# KiCad board C816SX.kicad_pcb (continued)
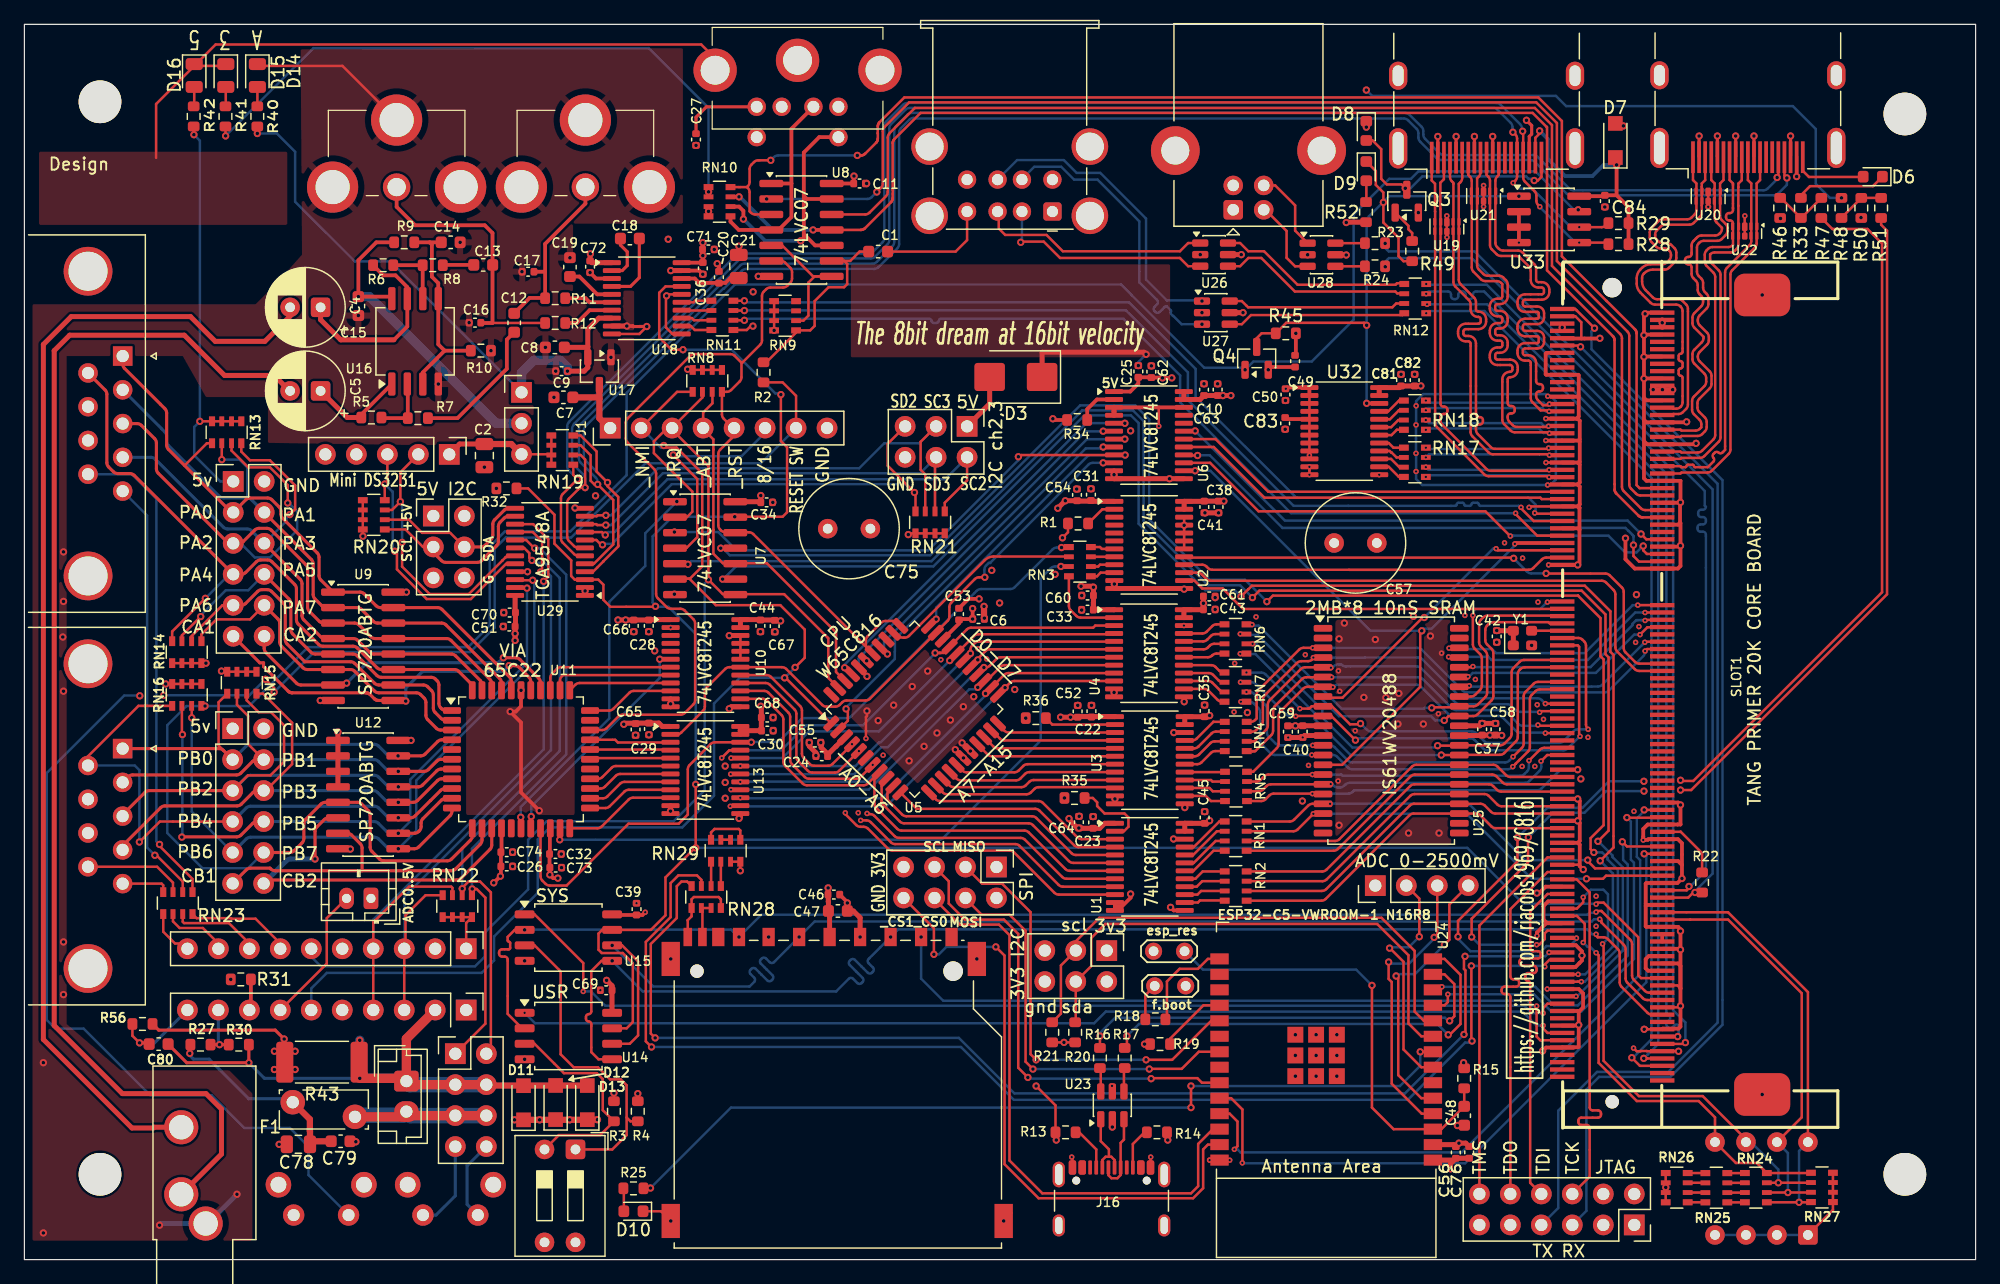
[diagram p0: board, top side]
## Nets (continued)
A_15: RN4.4 SLOT1.86 U25.3
B_TMDS0_N: J14.9 SLOT1.42 U22.4 U22.7
B_TMDS0_P: J14.7 SLOT1.40 U22.5 U22.6
B_TMDS1_N: J14.6 SLOT1.36 U20.1 U20.10
B_TMDS1_P: J14.4 SLOT1.34 U20.2 U20.9
B_TMDS2_N: J14.3 SLOT1.30 U20.4 U20.7
B_TMDS2_P: J14.1 SLOT1.28 U20.5 U20.6
B_TMDSC_N: J14.12 SLOT1.46 U22.1 U22.10
B_TMDSC_P: J14.10 SLOT1.44 U22.2 U22.9
CARD_DET: RN28.7 SLOT1.171
CARD_WP: RN28.8 SLOT1.169
CLK_IN: SLOT1.81 Y1.3
CLKVIA: SLOT1.92 U2.15
D0.: RN6.4 SLOT1.77 U25.36
D1.: RN6.3 SLOT1.79 U25.35
D2.: RN6.2 SLOT1.89 U25.32
D3.: RN6.1 SLOT1.91 U25.31
D4.: RN7.4 SLOT1.83 U25.9
D5.: RN7.3 SLOT1.85 U25.10
D6.: RN7.2 SLOT1.95 U25.13
D7.: RN7.1 SLOT1.97 U25.14
DATADIR: SLOT1.75 U2.14
E.: SLOT1.68 U6.15
EPS_CTS: SLOT1.140 U24.12
ESP_RTS: SLOT1.132 U24.11
ESP_RX: SLOT1.142 U24.24
ESP_SCL: J17.3 R21.2 U24.10
ESP_SDA: J17.4 R20.2 U24.9
ESP_TX: SLOT1.130 U24.25
HDMI1_SCL: J14.15 RN19.7 U29.5
HDMI1_SDA: J14.16 RN19.8 U29.4
HDMI2_SCL: J15.15 R29.2 RN19.6 U29.7 U33.6
HDMI2_SDA: J15.16 R28.2 RN19.5 U29.6 U33.5
hdmi_rx: J7.10 Q4.1 RN16.8 U11.12 U12.5 U33.7
HPD: D8.2 J15.19 Q3.3
HPD1_1V5: R47.1 SLOT1.165
HPD2_1V5: R51.1 SLOT1.163
I2S_BCK: RN11.2 SLOT1.63
I2S_DIN: RN11.3 SLOT1.59
I2S_LRCK: RN11.4 SLOT1.57
IRQ5V: J1.3 J29.6 RN8.6 U5.43 U7.2 U7.8
MISO: J3.7 SLOT1.180 U14.2 U15.2
MOSI: J3.2 SLOT1.186 U14.5 U15.5
NMI5V: J1.2 J26.6 RN8.5 U5.1 U7.6
PB5_I2C_5V_SDA: J7.8 RN16.6 U11.10 U12.10 U29.23
PB6_I2C_5V_SCL: J7.9 RN16.7 U11.11 U12.9 U29.22
PHI2.: SLOT1.69 U2.16
POT1X: J9.9 RN23.1
POT1Y: J9.5 RN23.2
POT2X: J8.9 RN23.3
POT2Y: J8.5 RN23.4
PS2CLKIN: RN10.7 SLOT1.58 U8.11
PS2CLKOUT: SLOT1.56 U8.12
PS2DATIN: RN10.8 SLOT1.50 U8.3
PS2DATOUT: SLOT1.52 U8.2
RDY.: SLOT1.64 U6.19
RST_SW: J1.7 R2.2 SW5.2
RW.: SLOT1.65 U6.14 U25.15
SCK: J3.5 SLOT1.182 U14.6 U15.6
SW1: RN24.1 RN27.4 SLOT1.158 SW2.8
SW2: RN24.2 RN27.3 SLOT1.160 SW2.7
SW3: RN24.3 RN27.2 SLOT1.157 SW2.6
SW4: RN24.4 RN27.1 SLOT1.159 SW2.5
TMDS0_N: J15.9 RN18.6 SLOT1.33 U21.4 U21.7
TMDS0_P: J15.7 RN18.5 SLOT1.35 U21.5 U21.6
TMDS1_N: J15.6 RN17.8 SLOT1.39 U19.1 U19.10
TMDS1_P: J15.4 RN17.7 SLOT1.41 U19.2 U19.9
TMDS2_N: J15.3 RN17.6 SLOT1.45 U19.4 U19.7
TMDS2_P: J15.1 RN17.5 SLOT1.47 U19.5 U19.6
TMDSC_N: J15.12 RN18.8 SLOT1.27 U21.1 U21.10
TMDSC_P: J15.10 RN18.7 SLOT1.29 U21.2 U21.9
UD1N: RN12.3 SLOT1.192
UD1P: RN12.4 SLOT1.194
UD2N: RN12.1 SLOT1.200
UD2P: RN12.2 SLOT1.198
UD3_N: R24.2 SLOT1.152
UD3_P: R22.1 R23.2 SLOT1.154
USB3_CON: R22.2 SLOT1.136
VDA.: SLOT1.53 U6.17
VPA.: SLOT1.70 U6.16
Net-(C12-Pad1): C12.1 R7.2
Net-(C13-Pad1): C13.1 R8.2
Net-(D6-A): D6.2 J14.19
Net-(D6-K): D6.1 R33.1
Net-(D8-K): D8.1 R48.1
Net-(D9-A): D9.2 R52.1
Net-(D10-A): D10.2 R25.2
Net-(D14-A): D14.2 R40.2
Net-(D15-A): D15.2 R41.2
Net-(D16-A): D16.2 R42.1
Net-(J3-CARD_DETECT): J3.10 RN28.2 RN28.3
Net-(J3-WRITE_PROTECT): J3.11 RN28.1 RN28.4
Net-(J4-Pin_7): J4.7 SW6.1
Net-(J4-Pin_8): J4.8 SW6.2
Net-(J16-CC1): J16.A5 R13.2
Net-(J16-CC2): J16.B5 R14.2
Net-(J16-D+-PadA6): J16.A6 J16.B6 U23.3
Net-(J16-D--PadA7): J16.A7 J16.B7 U23.1
Net-(J21-D+): J21.3 U28.1
Net-(J21-D-): J21.2 U28.3
Net-(J29-Pin_7): J29.7 RN23.8
Net-(J29-Pin_8): J29.8 RN23.7
Net-(J29-Pin_9): J29.9 RN23.6
Net-(J29-Pin_10): J29.10 RN23.5
Net-(Q3-G): Q3.1 R49.1
Net-(R33-Pad2): R33.2 R46.1 R47.2
Net-(R48-Pad2): R48.2 R50.1 R51.2
Net-(RN1-R1.2): RN1.8 U1.18
Net-(RN1-R2.2): RN1.7 U1.19
Net-(RN1-R3.2): RN1.6 U1.20
Net-(RN1-R4.2): RN1.5 U1.21
Net-(RN2-R1.2): RN2.8 U1.14
Net-(RN2-R2.2): RN2.7 U1.15
Net-(RN2-R3.2): RN2.6 U1.16
Net-(RN2-R4.2): RN2.5 U1.17
Net-(RN3-R1.1): RN3.1 U2.10
Net-(RN3-R2.1): RN3.2 U2.9
Net-(RN3-R3.1): RN3.3 U2.8
Net-(RN3-R4.1): RN3.4 U2.7
Net-(RN4-R1.2): RN4.8 U3.18
Net-(RN4-R2.2): RN4.7 U3.19
Net-(RN4-R3.2): RN4.6 U3.20
Net-(RN4-R4.2): RN4.5 U3.21
Net-(RN5-R1.2): RN5.8 U3.14
Net-(RN5-R2.2): RN5.7 U3.15
Net-(RN5-R3.2): RN5.6 U3.16
Net-(RN5-R4.2): RN5.5 U3.17
Net-(RN6-R1.2): RN6.8 U4.18
Net-(RN6-R2.2): RN6.7 U4.19
Net-(RN6-R3.2): RN6.6 U4.20
Net-(RN6-R4.2): RN6.5 U4.21
Net-(RN7-R1.2): RN7.8 U4.14
Net-(RN7-R2.2): RN7.7 U4.15
Net-(RN7-R3.2): RN7.6 U4.16
Net-(RN7-R4.2): RN7.5 U4.17
Net-(RN9-R3.2): RN9.6 U8.5 U8.8
Net-(RN9-R4.2): C1.1 R2.1 RN9.5 U8.9
Net-(RN17-R1.1): RN17.1 U32.17
Net-(RN17-R2.1): RN17.2 U32.16
Net-(RN17-R3.1): RN17.3 U32.15
Net-(RN17-R4.1): RN17.4 U32.14
Net-(RN18-R1.1): RN18.1 U32.21
Net-(RN18-R2.1): RN18.2 U32.20
Net-(RN18-R3.1): RN18.3 U32.19
Net-(RN18-R4.1): RN18.4 U32.18
Net-(RN24-R1.2): RN24.8 RN25.1
Net-(RN24-R2.2): RN24.7 RN25.2
Net-(RN24-R3.2): RN24.6 RN25.3
Net-(RN24-R4.2): RN24.5 RN25.4
Net-(RN25-R1.2): RN25.8 RN26.5
Net-(RN25-R2.2): RN25.7 RN26.6
Net-(RN25-R3.2): RN25.6 RN26.7
Net-(RN25-R4.2): RN25.5 RN26.8
Net-(RN28-R3.2): RN28.6 RN29.5
Net-(RN28-R4.2): RN28.5 RN29.6
Net-(RN29-R1.1): RN29.1 RN29.4
Net-(RN29-R2.1): RN29.2 RN29.3
Net-(U1-DIR): R35.2 U1.2
Net-(U2-DIR): R1.2 U2.2
Net-(U3-DIR): R36.2 U3.2
Net-(U6-DIR): R34.2 U6.2
Net-(U16-OUT_1): C5.1 R5.2 U16.1
Net-(U16-OUT_2): C4.1 R6.1 U16.7
Net-(U16-VIN+_1): C14.1 R9.1 R10.1 U16.3 U16.5
Net-(U16-VIN-_1): R5.1 R7.1 U16.2
Net-(U16-VIN-_2): R6.2 R8.1 U16.6
Net-(U18-CAPM): C18.2 U18.4
Net-(U18-CAPP): C18.1 U18.2
Net-(U18-LDOO): C20.1 C21.1 U18.18
Net-(U18-OUTL): R11.2 U18.6
Net-(U18-OUTR): R12.2 U18.7
Net-(U18-VNEG): C19.1 U18.5
Net-(U24-GPIO6): R25.1 U24.8
Net-(U24-GPIO13/USB_D-): R16.2 U24.13
Net-(U24-GPIO14/USB_D+): R17.2 U24.14
Net-(U24-GPIO27): R19.2 U24.18
Net-(U24-GPIO28): R18.2 U24.15

Pads without a net: J2 3 4 9 11; J3 8 9; J5 2 6; J8 SH; J9 SH; J14 13 14; J15 13 14; J16 A4 A8 A9 B4 B8 B9; J17 2 5; J19 7; J21 1; J23 2 5; J25 4; RN9 7 8; SLOT1 10 12 16 17 18 21 23 82 87 88 93 94 96 98 99 100 102 104 105 106 108 110 111 112 114 116 117 118 120 122 124 126 137 141 187 188 197 199 201 202 203 204; U2 3 4 5 6; U5 6 44; U6 20 21; U10 3 4 5; U11 5 16 27 32; U24 6 20 22; U25 1 2 21 22 23 24 43 44

## Via types
v1: diameter 0.6, hole 0.3, Top to Bottom, 535 vias
v2: diameter 0.45, hole 0.2, Top to Bottom, 186 vias
v3: diameter 0.5, hole 0.2, Top to Bottom, 1 via

## Routing (per net, layer and track width the routed paths; a pad name or vN(x,y) marks a point on that pad's centre or on a via; arc(x,y) is an arc through that point)
+3V3: length 124.5
  Top w0.2: v2(89.19,14.25) 89.19,13.62
  Top w0.203: v1(16.5,92.2) 16.49,92.21 16.49,92.97 ; R4.1 v1(50.3,13.62) ; R20.1 v1(85.25,17.82) R21.1 ; R3.1 v1(48.34,13.67) ; RN29.7 RN29.8 v1(58.71,31.91) ; RN26.4 v1(134.59,5.92) RN26.1
  Top w0.305: 48.2,28.32 48.24,28.28 C39.1 50.68,28.28 v2(50.91,28.5) ; v1(134.32,71.38) 134.3,71.36 SLOT1.24 ; v1(134.32,71.38) v1(135.16,71.38) ; v1(134.32,71.38) v1(133.56,71.38) ; v1(55.63,83.44) 55.61,83.42 C71.1 55.63,82.86 v1(55.63,82.38) C36.1 55.62,81.8 U18.20 ; RN10.1 v1(56.1,87.61) RN10.2 ; U8.14 C11.1 68,88.88 v1(68.03,88.91)
  Top w0.406: v1(98.93,70.9) v1(98.28,70.9) 98.28,70.9 C63.1 C10.1 96.4,70.58 U6.23 95.07,71.22 ; U25.11 106.48,43.81 C40.1 104.81,43.8 v1(104.22,43.8) C59.1 ; U32.23 U32.24 112.75,71.55 C81.1 C82.1 114.51,71.68 v1(114.51,71.68) ; U25.33 119.5,43 C37.1 v1(120.17,43.04) C58.1 121.11,43.04 v1(121.14,43.01) ; Y1.1 Y1.4 120.75,51.6 v1(120.73,51.62) ; v1(99.93,77.7) 99.93,77.7 U27.5 ; v1(62.01,52.41) 61.96,52.45 C67.1 61.5,52.48 C44.1 60.32,52.51 U10.24 U10.23 ; U28.5 108.37,82.45 v1(108.39,82.43) ; C76.1 118.19,9.56 v1(117.63,9.56) 117.38,9.3 C56.1 117.22,9.44 U24.2 ; 66.05,28.91 66.05,28.23 66.02,28.2 66.03,28.19 J3.4 ; C61.1 v1(96.68,53.85) 96.68,53.35 C43.1 96.66,53.33 U4.24 U4.23 ; 65.89,30.51 v1(65.91,30.5) 65.92,30.49 65.92,29.37 65.93,29.36 65.93,28.61 ; v1(97.19,44.64) 97.09,44.55 C35.1 95.16,44.55 U3.24 U3.23 ; v1(46.41,82.53) 46.39,82.5 C72.1 46.53,81.8 48.18,81.8 ; U14.8 48.19,20.26 C69.1 48.19,22.47 v1(47.74,22.91) ; U2.23 U2.24 96.74,62.22 C41.2 C38.1 98.35,62.23 v1(98.35,62.24) ; U1.23 U1.24 95.15,35.8 C45.1 96.97,35.8 v1(97.19,36.02) ; v1(60.38,62.69) 60.38,62.69 C34.1 60.33,62.18 U7.14 ; U26.5 v1(99.79,82.46)
  Bottom w0.203: v1(56.1,87.61) 56.1,94.5 51.2,99.4 23.7,99.4 v1(16.5,92.2)
  vias: v1(16.92,22.99) v1(118.01,16.16)
/Audio - Video/VCC_HDMI: length 21.4
  Top w0.203: v1(124.25,92.61) 124.25,92.4 123.9,92.05 123.9,90.5
  Top w0.305: v1(130.56,89.82) 130.56,87.33 ; 130.56,87.33 131.54,86.35 R29.1 R28.1 ; 130.56,87.33 129.55,87.33 129.47,87.25 U33.8
  Bottom w0.305: v1(130.56,89.82) 129.49,89.82 128.58,88.91 126.35,88.91 124.92,90.33 124.92,91.95 v1(124.25,92.61)
/I2C/GNDIN: length 58.5
  Top w0.254: v1(27.5,14.88) 27.6,14.88 28.03,15.3 ; R30.2 v1(18.41,16.15) 13.31,16.15 C80.1
  Top w0.508: D13.2 37.95,14.28 J4.4
  Top w0.762: J30.1 31.61,14.36 J4.3 J4.4 ; J30.1 31.1,14.88 v1(27.5,14.88) ; J30.1 31.32,18.12 J26.2
  Bottom w0.254: v1(18.41,16.15) 19.69,14.88 v1(27.5,14.88)
  Bottom w0.762: v1(27.5,18) v1(27.5,14.88) 31.1,14.88 J30.1
  Bottom w1.27: J4.4 J4.3 31.61,14.36 J30.1
/I2C/VIN(5V): length 22.6
  Top w0.508: 38.21,11.48 J4.6
  Top w0.762: F1.1 30.89,11.72 J30.2 31.65,11.82 J4.5 J4.6
  Bottom w1.27: J4.6 J4.5 31.65,11.82 J30.2 31.02,11.84 27.11,11.84
AGND: length 22.4
  Top w0.203: J13.MH1 26.08,97.94 19.1,97.94 ; 48.12,74.02 v1(48.1,74.04)
  Top w0.305: NT1.2 49.88,76.6 v1(49.4,76.6)
  Top w0.406: 48.18,76.6 v1(49.4,76.6)
  Bottom w0.406: v1(11.08,2.82) 11.22,2.96 J10.S 15.03,2.96 v1(17.43,5.36)
  vias: v1(1.56,16.16) v1(1.56,2.19) v1(3.21,58.07) v1(3.21,54.01) v1(3.15,51.08) v1(3.21,46.64) v1(3.21,26.07) v1(3.21,21.75) v1(27.39,77.46) v1(33.94,71.84) v1(35.73,83.47) v1(36.47,76.88) v1(38.26,74.58) v1(40.8,81.06) v1(42.72,74.85) v1(43.57,72.9) v1(44.74,82.2)
AVDD: length 49
  Top w0.203: v1(19.1,92.4) 19.1,92.97
  Top w0.406: 48.18,77.25 47.1,77.25 46.2,76.35 46.2,74.9 ; 46.2,74.9 U17.2 46.2,73.2 45.9,72.9 v1(44.53,72.9) ; 46.2,74.9 46.15,74.85 C8.1
  Bottom w0.203: J12.1 30.02,81.9 27.1,81.9 22.2,86.8 22.2,90.9 20.7,92.4 v1(19.1,92.4)
  Bottom w0.762: J12.1 40.76,72.77 41.78,73.78 43.96,73.78 44.53,73.21 v1(44.53,72.9)
GND: length 666.5
  Top w0.2: D10.1 52.21,3.97 v1(53,3.17) ; U29.2 45.96,54.89 45.98,54.87 v1(45.97,54.86) 45.96,54.85 45.96,54.5 ; v1(45.15,61.67) 45.18,61.64 U29.12 ; v1(85.12,59.22) 85.57,59.68 R1.1 ; J20.4 77.3,83.65 76.36,82.71 C1.2 ; v1(132.82,18.9) 132.94,19.02 133,19.02 133.12,18.9 SLOT1.190 ; SLOT1.184 135.68,20.7 v1(135.8,20.81) ; U21.3 v2(119.65,88.13) ; v2(131.95,17.35) 132.2,17.1 132.52,17.1 132.54,17.12 133.04,17.12 133.06,17.1 SLOT1.196 135.63,17.1 v1(135.64,17.09) ; U29.21 41.25,56.44 v1(41.26,56.44) ; U21.8 v2(119.65,86.41) ; 135.8,22.25 135.55,22.5 SLOT1.178 ; SLOT1.71 125.05,57 125.05,57 v2(124.99,57) ; 117.41,90.5 117.4,90.5
  Top w0.203: U23.2 89.21,10.88 v1(89.21,10.88) ; RN11.1 59.24,76.28 59.56,76.6 v1(59.74,76.6) ; v3(138.07,86.38) 138.07,86.39 U20.8 138.07,87.6 ; 92.3,17.68 v1(91.85,17.68) ; v2(124.91,63.56) 124.95,63.6 SLOT1.49 ; v2(124.77,65.4) 124.77,65.4 SLOT1.43 ; v2(124.92,70.84) 124.96,70.8 SLOT1.25 ; 119.66,87.62 119.66,86.86 ; v2(105.37,64.4) v2(105.37,65.05) ; 80.95,3.82 v1(80.3,3.17) ; v1(82.96,14.24) 84.55,12.65 R13.1 84.55,9.87 v1(84.61,9.81) ; 10.8,90.4 10.8,94.82 13.93,97.94 ; SLOT1.55 123.46,61.8 v2(123.39,61.72) ; J5.8 56.64,98.56 55.5,99.7 15.68,99.7 13.93,97.94 ; 13.93,97.94 16.51,97.94 ; U2.18 v1(95.1,60.25) U2.22 ; RN27.8 148.3,4.08 SW2.1 ; v2(69.01,42.76) 69.01,44.52 69.09,44.6 v1(69.09,45.02) ; U10.22 U10.19 ; R14.1 93.69,9.87 v1(93.76,9.81) ; U18.11 53.14,75.95 52.61,76.48 52.61,79.03 v1(52.66,79.08) 52.78,79.2 U18.16 ; U22.8 U22.3 141.07,85.63 v2(141.08,85.64) ; v2(92.36,8.41) 92.34,8.4 J16.A12 ; v1(77,41.16) 77,41.17 v1(76.33,41.84) ; v1(127.82,32) 127.79,32 127.39,32.4 SLOT1.145 ; 127.67,75.58 127.67,76.91 127.18,77.4 SLOT1.3 ; v1(77.57,41.73) 77.56,41.73 v1(76.89,42.4) ; 66.88,29.93 C46.2 ; SLOT1.179 124.88,22.2 v2(124.87,22.21) ; 106.35,43 107.01,43 ; 48.18,75.95 50.42,75.95 v1(51.03,76.56) ; 116.16,8.17 U24.1 ; v2(124.75,67.21) 124.76,67.2 ; U33.2 121.85,85.98 ; J16.A1 85.94,8.35 v2(85.88,8.41) ; v2(124.76,69) 124.76,69 ; 93.02,69.92 v2(93.02,68.38) ; 137.32,92.19 v1(137.33,92.19) ; v2(98.84,8.16) 98.83,8.17 U24.28 ; v2(116.64,85.64) 116.64,83.89 v2(116.65,83.88)
  Top w0.254: 141.82,90.53 141.82,92.19 v1(141.83,92.19) ; v1(51.03,76.56) NT1.1 ; R56.2 11.01,18.83 20.57,18.83 v1(21.3,18.1) ; 144.82,90.53 v1(144.83,92.19) ; 115.9,90.5 v1(115.9,92.16) ; v1(137.33,92.19) 137.33,90.53 137.32,90.53 ; 118.9,90.5 v1(118.9,92.16) ; v1(123.17,93.48) 123.6,93.06 123.6,92.35 123.4,92.16 123.4,90.5 ; v1(138.82,92.19) 138.82,90.53 ; 117.4,90.5 v1(117.4,92.16) ; 120.4,90.5 v1(120.4,92.16) ; v1(140.32,92.19) 140.32,90.53
  Top w0.305: 132.85,68.84 132.8,68.8 132.8,67.16 ; 132.85,68.84 133,68.7 SLOT1.32 136.26,68.7 v1(136.3,68.74) ; 132.85,68.84 132.8,68.89 132.8,70.71 ; C21.2 58.59,82.45 v1(58.59,83.16) ; SLOT1.172 135.6,24.3 135.8,24.11 135.8,22.25 ; 135.92,32.38 v1(135.92,31.27) 135.55,30.9 SLOT1.150 133,30.9 132.94,30.85 132.94,29.17 133.01,29.1 ; 135.92,32.38 135.92,34.16 135.59,34.5 SLOT1.138 133.18,34.5 133.13,34.45 132.9,34.45 132.88,34.43 v2(132.75,34.43) 132.75,34.7 132.75,34.7 132.75,35.34 133.11,35.7 SLOT1.134 135.57,35.7 135.57,35.71 135.8,35.71 v1(135.8,37.31) 135.6,37.5 SLOT1.128 ; 135.92,32.38 135.6,32.7 SLOT1.144 ; 135.76,62.1 v1(135.8,62.13) 135.8,63.9 135.79,63.9 SLOT1.48 133.01,63.9 132.8,64.11 132.8,67.16 ; 135.76,62.1 SLOT1.54 ; 135.76,62.1 135.76,60.46 ; U1.22 94.25,34.5 v1(94.23,34.52) ; v1(135.8,58.58) 135.72,58.5 SLOT1.66 ; v1(135.8,58.58) 135.8,56.91 135.58,56.7 SLOT1.72 132.05,56.7 131.29,57.47 v1(131.29,59.19) ; v1(135.8,58.58) 135.8,60.43 135.76,60.46 ; U4.12 v1(89.35,46.54) U4.11 ; v1(127.37,36) 127.54,36.17 127.54,37.63 v1(127.37,37.8) SLOT1.127 ; v1(127.37,36) 127.54,35.83 127.54,34.35 127.39,34.2 ; v1(127.37,36) 127.37,36 SLOT1.133 ; U3.22 94.26,43.25 v1(94.25,43.25) ; 132.8,75.71 133,75.9 SLOT1.8 ; 132.8,75.71 v1(132.8,75.85) 132.8,77.51 v1(132.9,77.6) 133,77.7 SLOT1.2 ; 132.8,75.71 v1(132.8,74.07) ; 124.76,67.2 SLOT1.37 127.44,67.2 127.46,67.21 ; 127.52,57.15 127.52,59.89 ; 127.52,59.89 127.52,61.69 ; 127.52,59.89 127.4,60 SLOT1.61 ; SLOT1.179 127.45,22.2 127.81,21.84 127.81,20.69 127.46,20.33 ; 127.46,20.33 v1(127.46,19.25) 127.4,19.2 ; 127.46,20.33 127.39,20.4 SLOT1.185 ; 135.8,22.25 v1(135.8,20.81) 135.8,19.11 135.64,18.96 134.35,18.96 SLOT1.190 ; 135.8,22.25 v1(135.8,25.43) ; 89.43,28.96 89.98,28.96 90.71,29.69 v1(90.71,30) ; 89.43,28.96 U1.11 ; 89.43,28.96 U1.12 ; 89.35,69.92 95.07,69.92 ; U4.13 95.08,45.8 v1(95.1,45.78) ; U2.12 v1(89.38,55.43) U2.11 ; 133.01,29.1 132.94,29.03 132.94,27.35 133,27.3 SLOT1.162 135.6,27.3 135.8,27.11 v1(135.8,26.95) v1(135.8,25.43) ; 133.01,29.1 SLOT1.156 ; 127.37,63.6 SLOT1.49 ; 127.37,63.6 127.54,63.43 127.54,61.97 127.37,61.8 127.48,61.69 127.52,61.69 ; 127.37,63.6 127.54,63.77 127.54,65.25 127.44,65.35 ; SLOT1.20 132.81,72.3 v1(132.8,72.29) ; 127.52,61.69 127.4,61.8 SLOT1.55 ; 56.95,81.23 56.95,81.59 56.82,81.72 v1(56.81,81.72) ; 135.76,60.46 135.6,60.3 SLOT1.60 ; v1(127.82,32) 127.54,32.29 127.54,34.05 127.39,34.2 ; 124.76,69 SLOT1.31 127.28,69 ; v1(95.1,55.01) U2.13 ; SLOT1.14 132.83,74.1 v1(132.8,74.07) ; 127.46,67.21 127.54,67.13 127.54,65.45 127.44,65.35 ; 127.46,67.21 127.54,67.3 127.54,68.83 127.37,69 127.28,69 ; 127.39,70.8 127.46,70.87 127.46,72.56 127.41,72.6 SLOT1.19 124.8,72.6 124.74,72.65 124.74,74.33 124.81,74.4 SLOT1.13 ; 127.39,70.8 SLOT1.25 ; 127.39,70.8 127.46,70.73 127.46,69.18 127.28,69 ; v1(22.2,17.1) v1(20.5,17.1) ; 127.39,34.2 SLOT1.139 ; SLOT1.43 127.38,65.4 127.44,65.35 ; v1(42.22,36.84) 40.72,38.33 40.72,44.07 v1(39.83,44.96) 40.29,44.96 40.72,45.4 v1(40.72,46.71) ; SLOT1.9 126.12,75.58 129.17,75.58 v1(129.19,75.6) ; v1(135.8,25.43) 135.73,25.5 SLOT1.168 ; v1(20.5,15.6) v1(22.2,15.6) ; U18.19 55.34,81.15 v1(55.63,80.85) ; v1(124.03,30.08) 124.22,30.08 124.74,30.6 SLOT1.151 ; v1(124.49,17.12) 124.77,17.4 SLOT1.195 126.12,17.42 127.4,17.42 127.46,17.48 127.46,19.15 127.4,19.2 ; v1(46.39,80.99) 46.87,80.5 48.18,80.5 ; 127.4,19.2 SLOT1.189 ; C46.2 67.48,29.33 v1(67.48,29.27) ; v1(78.28,54.21) 77.41,54.21 C53.2 ; SLOT1.26 133.02,70.5 132.8,70.71 ; 132.8,67.16 133.06,66.9 SLOT1.38 137,66.9 v1(137.08,66.98) ; U3.13 95.15,37.09 v1(95.15,37.09) ; 132.8,70.71 v1(132.8,72.29) ; v1(132.8,74.07) v1(132.8,72.29) ; U33.2 v2(122.55,83.44) ; SLOT1.155 124.96,29.4 124.57,29.01 124.57,27.89 124.86,27.6 SLOT1.161 124.8,27.6 124.03,26.84 v2(124.03,26.57) ; v1(127.37,57) SLOT1.71 ; v1(93.98,28.91) 94.24,28.65 U1.13 ; SLOT1.167 127.22,25.8 127.72,25.3 v1(127.72,24.95) 127.72,24.54 127.51,24.34 127.51,24.33 127.18,24 SLOT1.173 ; C49.2 102.22,73.24 v1(102,73.01) ; U3.12 v1(89.43,37.8) U3.11
  Top w0.406: U6.4 89.35,69.92 ; 104.81,42.84 v2(103.64,42.84) C59.2 ; C24.2 v1(64.91,41.36) 64.91,41.58 64.36,42.12 v1(64.36,42.42) C55.2 ; U13.12 v1(52.98,36.8) 52.98,37.25 ; 87.44,63.23 v1(87.46,63.25) ; U10.13 57.96,45.36 v1(57.8,45.2) ; 119.56,44.02 v1(119.54,44) ; v1(119.54,44) v1(120.63,44) 120.61,44.02 ; v1(119.54,44) 119.34,43.8 U25.34 ; U24.1 117.23,8.17 C56.2 ; v1(25.71,43.29) U12.1 U12.4 ; U13.13 58.71,36.31 v1(58.6,36.2) ; C56.2 117.38,8.32 C76.2 ; C56.2 116.95,7.88 v2(116.95,7.38) ; U6.13 v1(93.9,64.08) U6.12 v1(89.35,64.4) 89.35,64.72 ; v1(86.7,53.29) 86.7,53.33 86.7,53.33 ; v1(68.53,26.47) 68.53,28.05 67.98,28.61 C47.2 v1(67.48,29.27) ; D3.1 83.45,74.44 83.47,74.45 91.81,74.45 v1(91.98,74.28) ; U18.19 v1(53,81.15) ; 97.64,54.31 v1(97.64,54.32) C61.2 ; U10.12 v1(52.99,45.6) U10.11 ; v2(104.82,42.84) 104.98,43 U25.12 ; U2.12 U2.13 ; 51.33,51.52 v1(51.2,51.52) ; v1(97.92,61.27) v1(96.81,61.27) C41.1 ; 50.14,43.06 v1(50.12,43.04) ; v2(97.19,8.17) U24.28 ; U10.22 57.81,51.21 v1(57.8,51.2) ; v1(86.38,45.48) C52.2
  Top w0.508: v1(78.69,53.6) 78.69,52.66 v1(78.72,52.63) ; C79.1 27.14,9.71 v1(27.18,9.67) ; v1(20.89,9.46) C78.2
  In1.Cu w0.2: v1(116,35) v1(113.5,35) 108.44,35 v1(107.8,35.64) 107.8,39.12 v1(112.63,43.95) ; v2(101,52.74) 101.19,52.54 101.19,51.88 99.55,50.24 99.48,50.24 99.17,49.93 99.17,49 v2(99.24,48.93) 99.19,48.88 v2(99.19,44.94) ; v2(101,52.74) 95.79,52.74 v2(95.08,52.03) ; v2(101,52.74) 107.73,52.74 v1(108.24,52.23) ; v1(119.54,44) 119.54,47.05 v2(118.98,47.61) ; v2(115.95,44.79) 115.11,43.95 v1(114.71,43.95) v1(112.63,43.95) ; v1(108.24,52.23) 108.24,51.36 v1(107.8,50.93) ; v1(108.24,52.23) 109.07,52.23 109.2,52.36 111.03,52.36 111.16,52.48 113.6,52.48 v1(113.9,52.78) ; v2(132.39,51.94) 131.99,51.54 131.5,51.54 ; v1(127.37,36) 128.43,37.06 131.71,37.06 v2(131.98,36.79) ; 121.72,56.89 121.03,56.89 118.3,54.16 ; v2(103.91,45.14) 103.91,48.79 104.75,49.63 v2(105.03,49.63) 105.03,50.75 104.98,50.81 105.11,50.93 v1(107.8,50.93) ; v1(112.63,43.95) 112.63,46.39 v1(112.71,46.46) 111.99,46.46 v1(111.64,46.11) 111.61,46.13 v1(109.84,46.13) 109.84,49.94 v1(110.78,50.88) ; 131.5,51.54 131.5,51.26 v2(132.12,50.65) ; 131.5,51.54 131.5,53.88 v1(132.19,54.56) 129.61,57.15 127.52,57.15 v1(127.37,57) ; v1(110.78,50.88) 111.9,49.76 v2(116.21,49.76) 115.25,50.71 115.25,50.73 115.29,50.78 v1(115.29,51.17) ; v1(110.78,50.88) 110.72,50.93 v1(107.8,50.93) ; 118.3,54.16 117.98,53.84 117.98,53 v2(118.12,52.86) ; 118.3,54.16 118.55,54.16 118.76,53.95 v2(124.11,53.95) ; v2(107.73,39.27) 106.44,40.55 v2(105.3,40.55) ; v2(107.86,46.64) 107.86,48.21 v2(107.75,48.31) 107.75,50.88 v1(107.8,50.93) ; v1(107.8,50.93) 107.86,50.88 ; 66.05,35.9 67.61,35.9 67.65,35.94
  In1.Cu w0.203: 76.65,49.91 76.65,47.38 v1(77.84,46.19) v1(75.93,44.27) ; 76.65,49.91 75.77,49.91 75.15,49.28 v2(75.15,49.22) ; 76.65,49.91 77.1,50.36 77.96,50.36 v2(78.2,50.12) 78.91,49.41 v2(78.91,49.28) ; v2(132.75,34.43) 132.75,36.02 v2(131.98,36.79) ; v1(53,24.67) 50.22,24.67 48.33,22.78 48.33,22.77 ; v1(51.69,49.95) 51.49,49.76 51.49,47.1 v1(52.99,45.6) ; 67.65,35.94 v2(68.37,36.66) ; v1(59.75,79.4) 60.18,79.83 v1(60.18,80.68) ; v2(128.88,27.35) 128.35,27.88 128.35,29.42 128.75,29.82 v2(128.88,29.82) ; v1(52.66,79.08) 53,79.42 v1(53,81.15)
  In1.Cu w0.305: v2(121.37,58.81) 121.46,58.72 121.46,57.16 121.46,57.15 121.72,56.89 122.39,56.89 122.85,57.35 v2(122.85,57.56) 122.85,57.56 127.1,57.56 127.37,57.29 v1(127.37,57) ; v2(128.88,29.82) 128.17,30.53 124.48,30.53 v1(124.03,30.08) ; v1(46.83,62.67) 45.84,61.67 v1(45.15,61.67) 44.65,61.67 43.01,63.32 43.01,63.96
  In4.Cu w0.203: v2(124.57,44.33) 124.59,44.33 124.66,44.4 124.77,44.4 126.82,42.35 127.7,42.35 127.76,42.4 127.78,42.4 128.09,42.71 128.09,42.74 v2(128.21,42.86) ; v2(69.01,42.76) 70.38,41.39 v2(70.42,41.39) 70.42,38.7 v2(68.37,36.66)
  Bottom w0.203: 125.58,67.24 125.55,67.21 v2(124.75,67.21) ; 125.58,67.24 125.58,64.01 125.13,63.56 v2(124.91,63.56) 114.61,63.56 114.12,64.05 v2(114.12,64.67) 114.12,66.15 v2(114.11,66.16) 114.11,68.48 v2(114.12,68.49) 114.12,68.49 114.12,70.05 v2(114.13,70.06) 114.13,70.44 114.7,71.02 124.74,71.02 v2(124.92,70.84) 125.16,70.84 125.58,70.42 125.58,68.99 ; 125.58,67.24 125.58,68.99 ; v1(91.34,73.36) 91.34,73.64 v1(91.98,74.28) ; SW2.1 SW2.2 SW2.3 SW2.4 ; 125.58,68.99 125.57,69 v2(124.76,69) ; v2(124.77,65.4) 125.57,65.4
  vias: v1(24.26,45.88) v1(26.73,33.69) v1(37.72,65.02) v1(38.7,63.28) v1(39.31,53.09) v1(39.25,51.95) v1(40.03,33.43) v1(40.03,32.26) v1(41.02,24.51) v1(41.02,16.44) v1(43.43,70.75) v1(44.02,33.28) v1(44.05,32.16) v1(49.97,51.52) v1(51.21,43.06) v1(52.79,83.72) v1(53.3,54.6) v1(55.07,91.42) v1(56.57,82.89) v1(57.46,40.5) v1(57.46,39.16) v1(57.46,37.86) v1(60.36,51.52) v1(61.03,26.47) v1(61.37,62.13) v1(61.39,44.48) v1(61.4,43.4) v1(61.55,51.52) v1(69.06,88.3) v1(69.06,49.13) v1(70.01,44.23) v1(71.28,45.5) v1(72.55,40.92) v1(72.8,47.02) v1(73.77,42.11) v1(74.07,48.29) v1(74.83,43.21) v1(76.99,45.37) v1(78.1,24.67) v1(79.32,56.55) v1(79.96,53.88) v1(81.21,46.78) v1(84.52,56.23) v1(86.29,63.23) v1(86.49,36.38) v1(86.7,54.49) v1(87.5,45.48) v1(87.64,36.35) v1(90.71,68) v1(92.41,73.33) v1(96.42,82.46) v1(96.56,77.7) v1(96.73,71.86) v1(96.78,45.5) v1(96.78,36.76) v1(97.64,53.35) v1(97.85,71.86) v1(100.28,44.89) v1(103.41,70.49) v1(103.38,68.13) v1(104.22,18.45) v1(104.22,16.75) v1(104.22,15.05) v1(104.79,37.63) v1(105.22,82.45) v1(105.92,18.45) v1(105.92,16.75) v1(105.92,15.05) v1(107.62,18.45) v1(107.62,16.75) v1(107.62,15.05) v1(112.89,72.64) v1(114,72.64) v1(117.51,11) v1(120.73,50.66) v1(123.59,50.4) v1(127.63,39.44) v1(129.6,86.37) v1(142.5,79.15) v1(142.5,13.55) v1(144,85.43) v1(150.6,85.5) v2(47.23,22.1) v2(50.2,29.24) v2(52.99,51.86) v2(109.13,43.39) v2(111.1,64.4) v2(122.81,40.47) v2(123.86,40.47) v2(124.05,45.53)
VCC: length 193.1
  Top w0.2: RN20.1 RN20.4 ; v1(16.16,48.29) 16.21,48.24 RN15.4 ; D7.2 130.67,93.02 v1(131.12,93.02) ; RN19.3 43.15,66.08 J12.3 ; v1(61.48,76.24) RN9.1 ; RN19.1 RN19.4
  Top w0.203: RN20.4 27.75,59.37 v1(27.76,59.36) ; RN8.1 54.44,73 v1(54.39,73.06) ; 145.34,88.85 v1(145.33,88.87) ; RN13.1 RN13.2 RN13.3 RN13.4 v1(14.39,68.78) ; v1(14.89,48.94) RN14.4 RN14.1 ; J29.1 36.23,27.63 RN22.8 RN22.5 ; RN15.1 RN15.4 ; v1(13.9,92.3) 13.88,92.32 13.88,92.97 ; U32.2 U32.3 v2(105.37,65.99) U32.10 ; v1(11.59,47.24) RN16.4 RN16.1 ; v1(72.48,59.49) 72.58,59.59 RN21.1 RN21.4
  Top w0.254: R27.1 13.56,17.58 v1(13.56,16.92) ; 145.32,90.53 145.32,88.93 v1(145.33,88.87) ; RN10.4 v1(56.1,86.01) RN10.3 ; J5.4 55.93,94.59 55.07,93.73 C27.1
  Top w0.305: v1(43.74,31.3) 43.36,31.3 v1(43.09,31.58) C73.1 43.06,32.19 C32.1 43.09,33.31 43.09,35.35 U11.20 ; 39.07,33.45 39.12,33.51 U11.15 ; R34.1 84.44,68.89 v1(84.33,68.99) ; U32.2 U32.1 105.37,71.56 103.54,71.56 v2(103.43,71.46) ; C83.1 103.51,68.97 105.36,68.97 U32.5 ; 87.51,62.24 87.54,62.2 ; v1(38.49,30.92) v1(39.03,31.46) 39.07,31.5 C74.1 C26.1 ; C49.1 104.26,74.26 v1(104.26,76) ; 75.3,50.87 U5.31 76.64,52.2 C53.1 76.71,52.56 v1(77.75,52.56) C6.1 77.76,53.42 v1(77.75,53.42) ; SLOT1.5 SLOT1.7 v1(126.1,76.48) ; 89.36,62.2 U2.1 ; v1(94.09,72.34) v1(93.33,72.34) 93.3,72.37 C62.1 92.39,72.4 C25.1 91.34,71.89 90.68,71.22 89.35,71.22
  Top w0.406: R52.2 108.42,85.12 v1(108.39,85.1) ; SLOT1.4 v1(134.3,76.87) SLOT1.6 ; C60.1 v1(87.66,55.17) ; v1(87.66,55.17) 87.66,53.33 89.35,53.33 U4.1 ; v1(87.66,55.17) 87.58,55.25 86.59,55.25 ; v1(87.66,55.17) 87.66,53.91 87.66,53.9 C33.2 ; v1(40.24,50.81) v1(40.24,51.36) C51.1 40.27,51.98 C70.1 40.24,53.12 40.24,54.5 ; U1.1 88.58,35.8 88.17,35.39 C23.1 86.49,35.39 v1(86.47,35.41) 86.34,35.41 85.63,36.13 85.63,36.16 v1(85.66,36.19) ; 84.69,61.6 v1(85.35,62.27) C54.1 86.35,62.24 87.51,62.24 87.53,62.22 U2.1 ; U13.23 58.71,43.4 ; 58.71,43.4 60.43,43.4 60.43,45.34 60.38,45.39 v1(60.38,45.41) ; 58.71,43.4 58.71,43.75 ; v1(49.15,43.93) 49.24,44.01 50.16,44.01 50.16,44.02 C29.1 52.03,44.02 52.3,43.75 52.98,43.75 ; U5.3 66.56,42.12 66.55,42.12 65.87,41.43 C24.1 65.87,41.49 65.33,42.02 65.33,42.4 v1(65.31,42.42) ; U10.1 51.23,52.51 C28.1 C66.1 49.31,52.48 v1(49.31,52.48) v1(48.67,52.48) ; U3.1 89.42,44.56 86.42,44.56 C52.1 v1(85.78,44.51) v1(84.97,44.51) ; C2.1 35.69,66.92 J25.1 ; 75.31,50.91 U5.31 ; J22.1 79.15,70.22 D3.2 ; U9.16 v1(31.32,54.77)
  Top w0.508: v1(46.99,11.48) D13.1 46.14,11.47 v1(44.71,11.47) v1(42.25,11.47) D11.1 v1(40.19,11.47) ; F1.2 23.41,11.51 23.41,10.56 23.42,10.55 C78.1 23.67,9.71 C79.2 ; J12.3 39.92,66.92 C2.1 ; U17.3 47.15,70.64 ; 47.15,70.64 47.15,69.03 47.98,68.2 ; 47.15,70.64 47.04,70.75 C7.1 ; 75.33,50.87 U5.31
  Top w0.762: 40.73,66.05 J12.3
  Bottom w0.203: v1(13.9,92.3) 14.39,91.81 v1(14.39,68.78) 13.92,68.32 13.92,65.99 16.07,63.85 J6.1